# Altium PCB RCJ22_motherboard_2_final.PcbDoc (part 4 of 4) (continued)
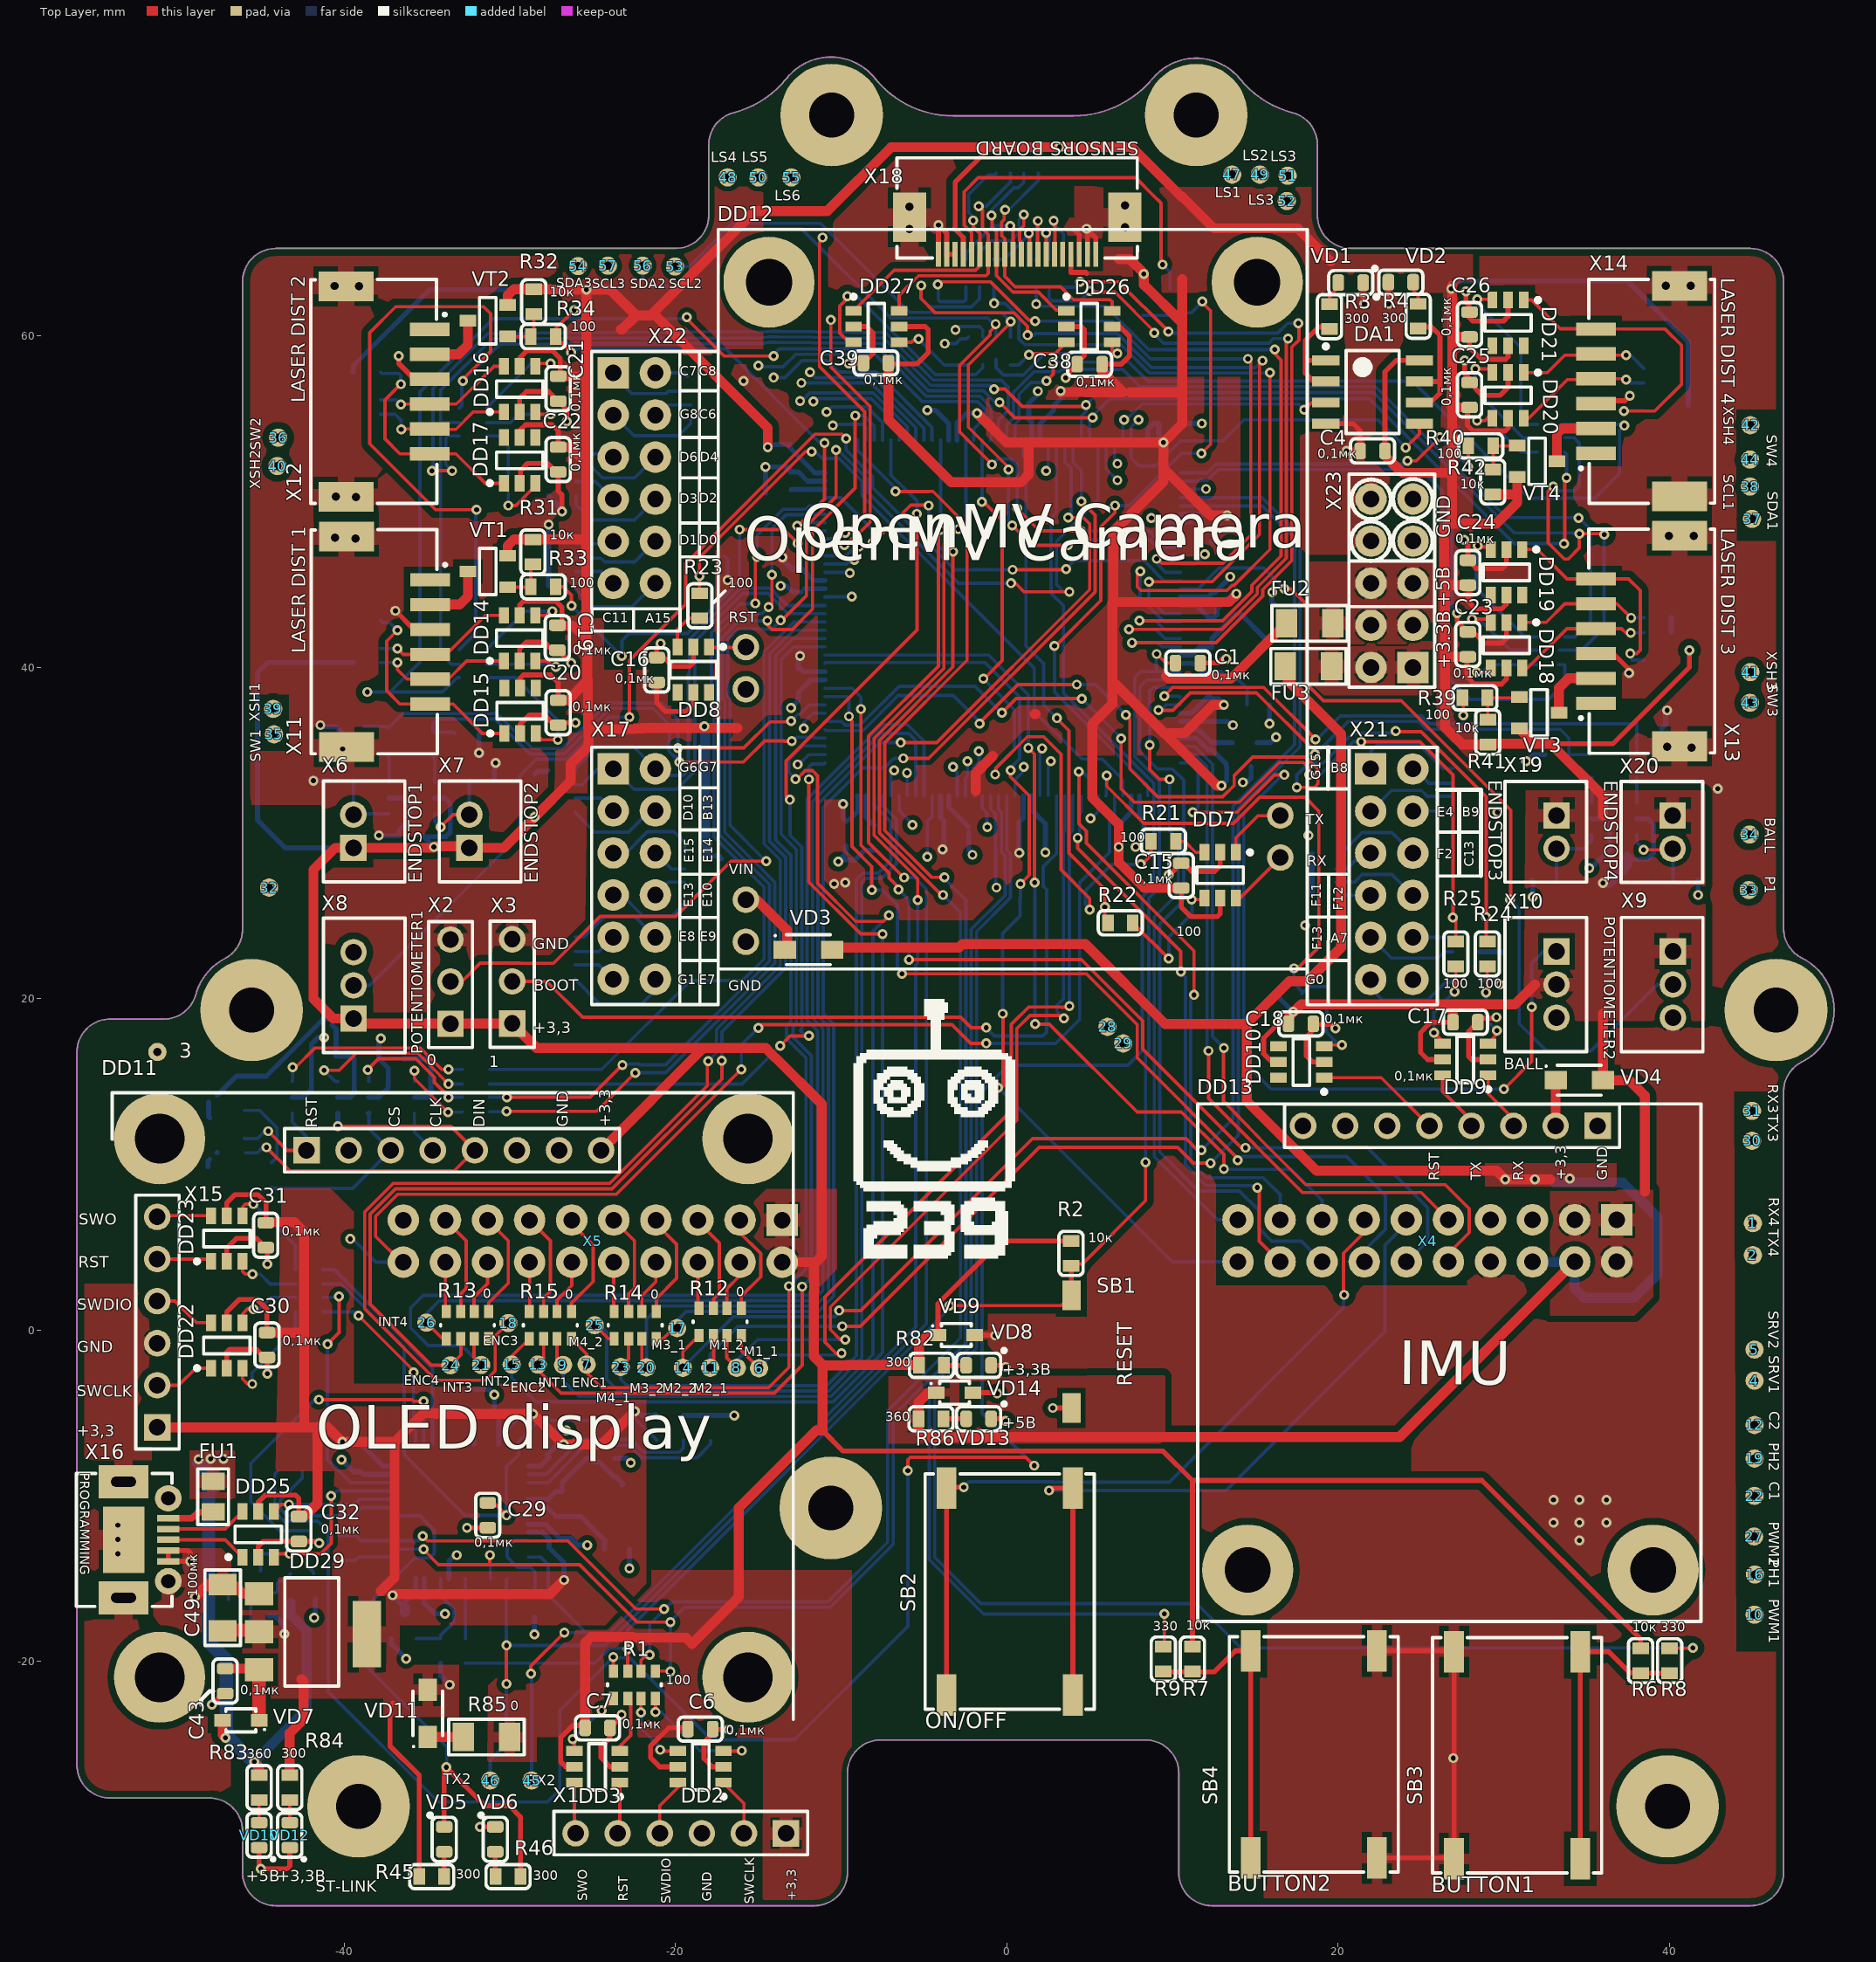
[diagram p0: Top Layer view]
## Other copper
Top Layer:
  pour cut-out: -45.725,38.35 -45.715,38.36 -43.315,38.36 -43.315,34.949 -43.297,34.931 -45.713,34.931
  pour cut-out: 43.874,14.425 46.436,14.425 46.47,14.392 46.47,-19.4 44.017,-19.4
  pour cut-out: 44,55.525 44.033,55.558 46.725,55.558 46.725,47.709 46.621,47.605 44.049,47.605
  pour cut-out: -15.9,52.675 -14.148,52.675 -13.877,52.405 -13.877,50.815 -15.858,50.815 -15.873,50.8
  pour cut-out: 3.181,40.969 3.181,39.253 3.233,39.201 2.07,39.201 2.07,40.789 2.181,40.9
  pour cut-out: 3.979,34.675 4.004,34.65 4.246,34.65 4.246,34.411 4.128,34.293 4.075,34.347 3.979,34.347
  pour cut-out: -36.425,57.5 -36.453,57.528 -37.525,57.528 -37.525,58.781 -37.025,59.281 -36.4,59.281
  pour cut-out: 37.375,56.75 38.723,56.75 38.889,56.585 38.889,55.76 37.615,55.76 37.3,56.075
  pour cut-out: -45.45,-31.884 -42.916,-31.884 -42.45,-32.35 -42.45,-34.298 -45.502,-34.298 -45.525,-34.276
  pour cut-out: -19.775,-29.425 -16.966,-29.425 -16.966,-32.683 -19.767,-32.683
  pour cut-out: -33.354,-29.306 -31.786,-29.306 -31.6,-29.492 -31.6,-32.075 -33.205,-32.075
  pour cut-out: -30.65,42.625 -30.639,42.636 -28.124,42.636 -28.124,40.862 -28.112,40.85 -30.675,40.85
  pour cut-out: -30.675,51.6 -30.675,53.326 -30.625,53.376 -28.124,53.376 -28.124,51.6
  pour cut-out: -30.625,57.675 -30.622,57.672 -28.1,57.672 -28.1,55.826 -28.124,55.85 -30.701,55.85
  pour cut-out: 29,57.275 29,55.525 31.5,55.525 31.5,57.286
  pour cut-out: 31.5,61.725 31.5,59.875 29,59.875 29.004,59.879 29.004,61.717
  pour cut-out: 11.65,28.375 14.069,28.375 14.084,28.39 14.092,28.382 14.092,26.525 11.673,26.525 11.642,26.556
  pour cut-out: 34.73,13.255 36.59,13.255 36.59,11.395 34.73,11.395
  pour cut-out: 32.275,19.675 33.283,19.675 34.108,18.85 34.087,18.829 34.087,17.5 32.411,17.5 32.336,17.425
  pour cut-out: 33.775,15.55 35.316,15.55 35.316,14.503 35.28,14.539 33.826,14.539
  pour cut-out: 28.525,15.075 26.825,15.075 26.825,17.61 28.525,17.61
  pour cut-out: 16.95,17.4 16.956,17.406 18.685,17.406 18.685,14.885 18.675,14.875 16.938,14.875
  pour cut-out: -18.95,-25.29 -18.036,-25.29 -18,-25.254 -17.933,-25.321 -17.933,-29.546 -18.877,-29.546
  pour cut-out: -25.2,-25.191 -25.168,-25.159 -24.25,-25.159 -24.25,-27.8 -25.2,-27.8
  pour cut-out: -48.175,-16.05 -46.497,-16.05 -46.497,-17.431 -48.159,-17.431
  pour cut-out: -46.304,-11.85 -44.042,-11.85 -44.042,-13.081 -46.325,-13.081
  pour cut-out: -45.825,6.2 -45.825,4.856 -45.831,4.85 -48.525,4.85 -48.525,6.2
  pour cut-out: -51.2,0.625 -51.197,0.623 -49.733,0.623 -49.733,-1.929 -50.253,-2.45 -50.328,-2.376 -51.205,-2.376
  pour cut-out: -48.225,-0.15 -48.225,-1.645 -48.23,-1.65 -45.831,-1.65 -45.831,-0.16 -45.821,-0.15
  pour cut-out: -1.475,69.275 -1.463,69.263 4.067,69.263 4.067,67.192 4.108,67.15 4.076,67.118 3.348,67.118 2.184,68.282 -1.5,68.282
  pour cut-out: -45.575,31.7 -41.422,31.7 -40.622,30.9 -40.65,30.872 -40.65,29.534 -45.391,29.534 -45.613,29.756
  pour cut-out: 37.525,35.5 37.55,35.475 37.55,32.927 36.477,32.927 36,33.404 36,35.375
  pour cut-out: -20.34,-31.411 -20.34,-34.298 -20.531,-34.489 -23.104,-34.489 -23.104,-31.323 -23.081,-31.3
  pour cut-out: -33.394,-29.266 -33.354,-29.306 -31.786,-29.306 -31.786,-28.414 -32.099,-28.101 -33.394,-28.101
  pour cut-out: -33.205,-32.075 -31.6,-32.075 -31.6,-34.463 -33.163,-34.463 -33.215,-34.516
  pour cut-out: -42.466,-31.117 -42.45,-31.132 -42.45,-34.298 -39.804,-34.298 -39.775,-34.328 -39.671,-34.224 -39.671,-31.142
  pour cut-out: -55.675,2.8 -52.031,2.8 -51.935,2.896 -51.935,8.505 -55.693,8.505 -55.713,8.525
  pour cut-out: -44.574,16.239 -44.575,16.238 -44.575,12.433 -41.21,12.433 -41.202,12.441 -41.306,12.546 -41.306,16.3
  pour cut-out: -46.844,-24.906 -46.844,-28.513 -46.414,-28.943 -42.775,-28.943 -42.775,-25.025 -42.725,-24.975
  pour cut-out: 13.915,-33.3 15.515,-33.3 15.515,-34.734 13.915,-34.734
  pour cut-out: -25.794,-27.8 -23.746,-27.8 -23.75,-27.804 -23.75,-29.375 -25.665,-29.375 -25.801,-29.238
  pour cut-out: -22.65,-27.8 -20.55,-27.8 -20.55,-27.9 -21.285,-28.635 -22.68,-28.635
  pour cut-out: -48.525,3.45 -48.525,1.15 -48.568,1.107 -49.125,1.107 -49.125,3.442 -49.117,3.45
  pour cut-out: -48.525,6.2 -48.525,4.85 -49.536,4.85 -49.951,5.264 -49.951,6.2
  pour cut-out: 18.375,13.175 18.375,9.925 18.685,9.615 28.4,9.615 28.4,10.375 34.048,10.375 34.048,12.492 33.12,13.421 33.033,13.334 18.5,13.334
  pour cut-out: 12.74,9.365 12.623,9.248 12.623,7.909 16.705,7.909 17.171,8.375 17.171,9.287
  pour cut-out: 31.675,20.01 32.542,20.01 32.692,19.859 32.692,19.316 31.859,19.316 31.675,19.5
  pour cut-out: 36.95,38.125 38.62,38.125 38.62,37.675 38.065,37.119 37.959,37.225 36.95,37.225
  pour cut-out: 34.05,41.294 34.017,41.261 34.017,40.252 33.16,40.252 32.787,40.625
  pour cut-out: 31.6,42 31.6,40.65 31.608,40.642 32.528,40.642 32.528,42
  pour cut-out: 31.6,45.05 31.6,46.4 32.725,46.4 32.965,46.16 32.965,45.109
  pour cut-out: 32.275,56.3 33.982,56.3 34.257,56.025 34.257,55.06 32.277,55.06 32.269,55.052
  pour cut-out: 31.7,57.075 31.7,55.725 31.77,55.795 32.79,55.795 33.14,56.144 33.14,57.075
  pour cut-out: 31.7,61.45 31.7,59.825 32.269,59.825 32.787,60.343 32.787,61.45
  pour cut-out: -8.55,61.767 -7.275,61.767 -7.249,61.793 -7.249,62.475 -8.401,62.475 -8.554,62.628
  pour cut-out: -30.85,51.8 -30.85,53.376 -31.691,53.376 -31.691,51.85
  pour cut-out: -30.85,56.1 -30.875,56.125 -31.88,56.125 -31.88,57.22 -31.572,57.528 -31.493,57.45 -30.85,57.45
  pour cut-out: -30.85,42.425 -30.85,41.075 -31.88,41.075 -32,41.195 -31.933,41.262 -31.933,42.355
  pour cut-out: -30.825,38.927 -30.825,36.7 -30.856,36.731 -31.65,36.731 -31.65,38.96
  pour cut-out: 27,14.875 28.35,14.875 28.35,13.985 28.069,13.704 26.996,13.704
  pour cut-out: 17.1,14.725 18.45,14.725 18.5,14.675 18.5,13.334 17.128,13.334 17.1,13.306
  pour cut-out: 14.325,29.525 14.325,26.775 15.475,26.775 15.776,27.076 15.776,29.5
  pour cut-out: -11.325,35.033 -10.078,35.033 -9.695,34.65 -9.695,32 -11.3,32 -11.325,32.025
  pour cut-out: -18.976,36.879 -18.972,36.876 -16.525,36.876 -16.525,35.85 -17.055,35.32 -19.025,35.32
  pour cut-out: 20.575,-6.525 20.575,-9.05 20.625,-9.1 20.675,-9.05 24.425,-9.05 24.425,-6.8 24.6,-6.625
  pour cut-out: 1.975,29.625 2.778,29.625 2.778,27.844 1.994,27.844 1.975,27.825
  pour cut-out: 12.724,41.174 12.724,39.951 12.941,39.734 14.425,39.734 14.425,40.825 14.5,40.9 14.208,41.192 12.819,41.192
  pour cut-out: 20.525,19.05 20.5,19.025 20.5,15.55 22.725,15.55 23.125,15.95 23.125,19.05
  pour cut-out: -19.3,24.925 -13.325,24.925 -12.9,24.5 -12.9,18.65 -18.835,18.65 -19.275,19.09
  pour cut-out: -12.775,24.9 -12.782,24.893 -12.782,19.05 -9.715,19.05 -9.675,19.09 -9.675,24.975
  pour cut-out: -19.3,24.925 -11.421,24.925 -11.421,29.967 -18.433,29.967 -19.3,29.1
  pour cut-out: -9.675,22.2 -9.675,19.09 -9.615,19.15 -4.29,19.15 -4.29,23.265 -4.525,23.5 -9.665,23.5
  pour cut-out: -51.525,-6.875 -51.608,-6.958 -51.608,-8.525 -50.4,-8.525 -49.863,-7.988 -49.863,-6.85
  pour cut-out: -42,18.45 -40.825,18.45 -40.375,18 -40.446,17.929 -40.446,17.25 -41.958,17.25 -41.966,17.241
  pour cut-out: 13.012,37.225 16.875,37.225 16.875,35.2 16.65,34.975 13,34.975
  pour cut-out: 0.825,57.7 0.887,57.638 2.04,57.638 2.04,56.64 1.757,56.358 0.85,56.358
  pour cut-out: -5.762,56.45 -4.3,56.45 -3.725,55.875 -3.725,53.825 -5.7,53.825 -5.725,53.85
  pour cut-out: 29.75,23.75 30.4,23.75 30.4,22.023 30.077,21.7 29.75,21.7
  pour cut-out: 29.231,31.625 30.15,31.625 30.45,31.325 30.45,29.446 29.305,29.446 29.251,29.5
  pour cut-out: 30.6,34.675 32.061,34.675 32.061,33.686 31.896,33.521 30.625,33.521
  pour cut-out: -29.773,-18.3 -29.773,-21.72 -29.008,-21.72 -29.008,-18.314 -28.993,-18.3
  pour cut-out: -36.55,-18.175 -36.525,-18.2 -36.525,-20.1 -35,-20.1 -34.975,-20.075 -34.975,-18.175
  pour cut-out: -17.325,-4.525 -15.925,-4.525 -15.725,-4.725 -15.725,-5.985 -17.301,-5.985
  pour cut-out: -38.169,17.975 -38.144,18 -37.075,18 -37.075,17.451 -37.301,17.225 -38.216,17.225
  pour cut-out: -28.475,12.275 -25.725,12.275 -25.675,12.325 -25.625,12.275 -25.625,9.225 -28.375,9.225 -28.525,9.375
  pour cut-out: 16.45,31.775 16.425,31.75 16.425,22.525 18.775,22.525 18.8,22.5 19.1,22.8 19.1,31.775
  pour cut-out: -43.525,12.3 -43.525,9.432 -43.343,9.25 -28.475,9.25 -28.475,12.275 -28.5,12.3
  pour cut-out: 12.623,7.909 12.623,2.723 12.6,2.7 27.779,2.7 27.779,7.879 27.749,7.909
  pour cut-out: 20.03,35.375 20.03,19.68 20,19.65 27.25,19.65 27.25,35.394 27.19,35.455
  pour cut-out: -25.382,59.335 -19.55,59.335 -19.55,44.238 -20.838,42.95 -25.605,42.95
  pour cut-out: -25.277,35.25 -25.273,35.253 -19.3,35.253 -19.3,20.493 -20.293,19.5 -20.322,19.529 -25.555,19.529
Signal Layer 2:
  pour cut-out: 20.48,35.435 26.155,35.435 26.13,35.41 26.13,19.435 20.405,19.435 20.305,19.535
  pour cut-out: -25.212,35.421 -19.537,35.421 -19.562,35.396 -19.562,19.421 -25.288,19.421 -25.388,19.521
  pour cut-out: -25.25,59.225 -19.575,59.225 -19.6,59.2 -19.6,43.225 -25.325,43.225 -25.425,43.325
  pour cut-out: 12.789,7.925 27.675,7.925 27.675,2.726 12.739,2.726
  pour cut-out: -38.106,4.85 -35.535,4.85 -34.685,5.7 -34.685,8.1 -11.8,8.1 -11.8,2.8 -38.106,2.8
Bottom Layer:
  pour cut-out: -3.361,28.333 -3.301,28.273 -1.2,28.273 -1.2,25.855 -1.411,25.645 -3.361,27.595
  pour cut-out: -34.19,-11.715 -31.25,-11.715 -31.25,-13.4 -31.8,-13.95 -31.9,-13.85 -34.165,-13.85
  pour cut-out: 22.95,51.415 25.1,51.415 25.769,50.746 25.769,46.363 22.95,46.363
  pour cut-out: 34.192,13.558 34.223,13.589 34.223,16.2 31.589,16.2 31.48,16.309 31.48,13.558
  pour cut-out: -38.221,30.026 -38.197,30.05 -36.334,30.026 -36.334,29.033 -38.238,29.033
  pour cut-out: -32.16,35.228 -30.552,35.228 -30.275,34.95 -30.275,33.975 -32.092,33.975 -32.16,34.043
  pour cut-out: -31.4,32.225 -29.733,32.225 -29.73,32.221 -29.73,28.443 -30.65,27.522 -31.44,27.522
  pour cut-out: 17.678,30.737 17.69,30.725 20.396,30.725 20.396,33.489 20.254,33.632 17.639,33.632
  pour cut-out: 17.678,23.743 20.225,23.743 20.225,21.495 20.11,21.38 18.26,21.38 18.26,22.022 17.672,22.61
  pour cut-out: -28.475,14.55 -24.68,14.55 -24.68,11.942 -25.366,11.256 -28.427,11.256
  pour cut-out: -39.853,17.035 -38.576,17.035 -38.358,16.817 -38.387,16.787 -38.387,15.886 -39.752,15.886 -39.864,15.998
  pour cut-out: -35.778,16.885 -35.747,16.916 -34.35,16.916 -34.35,15.854 -34.353,15.858 -35.741,15.858
  pour cut-out: 39.65,26.45 39.65,27.764 39.559,27.855 37.896,27.855 37.896,27.8 36.546,26.45
  pour cut-out: 14.35,32.3 14.36,32.31 16.687,32.31 16.687,21.791 16.211,21.315 14.3,21.315
  pour cut-out: 10.519,53.891 12.873,53.891 12.97,53.793 12.97,52.9 10.5,52.9
  pour cut-out: 3.183,57.825 3.142,57.785 3.142,55.061 6.283,55.061 6.9,55.678 6.9,57.75
  pour cut-out: 35.975,32.3 37.325,32.3 37.315,32.31 37.315,34.9 36.01,34.9 36,34.91
  pour cut-out: -38.9,33.875 -38.75,34.025 -38.025,34.025 -38.025,32.022 -38.234,31.813 -38.921,31.813
  pour cut-out: -36.575,33.446 -35.329,33.446 -35.125,33.65 -35.125,36.731 -36.486,36.731 -36.625,36.592
  pour cut-out: -36.45,12.6 -36.45,11.925 -37.496,11.925 -37.8,12.229 -37.8,12.6
  pour cut-out: -42.425,12.6 -41.075,12.6 -40.95,12.475 -40.95,11.906 -42.374,11.906 -42.428,11.853
  pour cut-out: -30.931,73.969 -35.45,69.45 -35.45,61.025 -9.025,61.025 -7.275,62.775 -7.275,73.717
  pour cut-out: 35.587,40.73 35.587,36.475 31.389,36.475 31.389,40.654 31.41,40.675
  pour cut-out: 24.975,60.525 31.225,60.525 31.225,55 30.75,54.525 24.9,54.525
  pour cut-out: 19.15,51.625 19.15,46.598 19.598,46.15 22.95,46.15 22.95,51.6 22.9,51.65
  pour cut-out: 14.55,49.114 14.55,46.2 16.997,46.2 17.025,46.228 17.025,49.05
  pour cut-out: -39.071,38.305 -39.071,36.871 -39.05,36.85 -39.006,36.894 -37.6,36.894 -37.6,38.275
  pour cut-out: -37.35,59.475 -35.975,59.475 -35.975,58.121 -36.246,57.85 -37.35,57.85
  pour cut-out: -11.03,64.602 -4.204,64.602 -3.5,63.898 -3.5,62.058 -1.533,62.058 -0.925,61.45 -0.925,59.25 -11.092,59.25
  pour cut-out: -21.45,41.85 -20.2,41.85 -20.2,40.729 -20.379,40.55 -21.45,40.55
  pour cut-out: -26.55,37.65 -25.672,37.65 -25.372,37.35 -25.372,35.725 -26.567,35.725
  pour cut-out: -26.681,41.3 -26.675,41.294 -26.675,38.85 -25.925,38.85 -25.6,39.175 -25.6,41.3
  pour cut-out: -17.835,24.375 -15.176,24.375 -15.176,24.301 -14.649,23.774 -14.649,22.395 -17.816,22.395 -17.85,22.361
  pour cut-out: -33.375,25.125 -31.85,25.125 -31.575,24.85 -31.575,22.718 -33.393,22.718 -33.5,22.825
  pour cut-out: -45.067,-22.075 -45.042,-22.05 -38.275,-22.05 -38.275,-26.35 -38.713,-26.788 -45.1,-26.788
  pour cut-out: -6.5,-9.425 -4.225,-9.425 -1.2,-12.45 -1.2,-19.425 -6.6,-19.425
  pour cut-out: -33.975,-2.9 -32.665,-2.9 -32.665,-4.05 -32.915,-4.3 -32.926,-4.289 -34.004,-4.289
  pour cut-out: 36.7,56.8 37.8,56.8 37.95,56.65 37.95,55.921 37,55.921 36.89,55.81
  pour cut-out: 12.958,55.072 12.958,52.538 12.945,52.525 12.97,52.5 23.15,52.5 23.15,54.825 22.925,55.05
  pour cut-out: 18.075,46.175 21.07,46.175 21.07,43.095 20.4,42.425 18.075,42.425
  pour cut-out: 26.465,49.75 33.792,49.75 35.225,48.317 35.225,41.45 32.375,38.6 32.35,38.625 26.275,38.625
  pour cut-out: 34.163,11.05 34.149,11.037 34.149,10.025 32.175,10.025 32.075,9.925 32.075,11.047
  pour cut-out: 13.15,-9.025 13.15,-13.175 13.275,-13.3 10.25,-16.325 9.86,-16.325 9.86,-9.374 10.01,-9.225
  pour cut-out: -2.09,0.875 3.325,0.875 5.125,-0.925 5.125,-6.7 4,-7.825 -2.122,-7.825
  pour cut-out: -24.975,14.486 -24.95,14.461 -24.95,8.05 -16.5,8.05 -15.975,8.575 -15.975,14.55
  pour cut-out: -27.683,14.539 -27.683,12.758 -28.841,11.6 -28.872,11.63 -30.5,11.63 -30.5,14.486 -30.6,14.586
  pour cut-out: -38.5,8.725 -38.535,8.69 -38.535,1.825 -41.975,1.825 -42.12,1.97 -42.12,8.825
  pour cut-out: -45.339,-3.721 -45.45,-3.832 -45.45,-7.45 -43.225,-7.45 -43.075,-7.6 -42.775,-7.3 -42.775,-2.175 -45.202,-2.175 -45.277,-2.25
  pour cut-out: -26.625,-26.225 -19.176,-26.225 -18.026,-25.075 -18.075,-25.026 -18.075,-20.036 -26.205,-20.036 -26.669,-20.5
  pour cut-out: -34.809,-19.525 -37.725,-19.525 -37.725,-22.375 -37.325,-22.775 -35,-22.775
  pour cut-out: -19.767,48.7 -19.742,48.725 -18.05,48.725 -18.05,47.738 -18.388,47.4 -19.825,47.4
  pour cut-out: -31.025,59.5 -31.025,56 -30.081,55.056 -30.037,55.1 -25.372,55.1 -25.372,59.536 -25.412,59.575
  pour cut-out: -33.95,52.275 -33.9,52.225 -29.3,52.225 -29.3,43.3 -30.165,42.435 -34.043,42.435
  pour cut-out: -43.494,11.824 -28.699,11.824 -28.699,9.4 -28.724,9.375 -43.5,9.375
  pour cut-out: 16.475,13.5 16.491,13.484 16.491,11.05 34.163,11.05 34.192,13.558
  pour cut-out: -25.35,59.398 -25.311,59.437 -19.8,59.437 -19.8,43.71 -19.775,43.685 -25.6,43.685
  pour cut-out: -25.412,35.323 -25.372,35.362 -19.862,35.362 -19.862,19.635 -19.837,19.61 -25.662,19.61
  pour cut-out: 20.425,35.288 20.464,35.327 25.975,35.327 25.975,19.6 26,19.575 20.175,19.575
  pour cut-out: 12.625,7.922 12.625,2.776 12.599,2.75 12.624,2.725 27.9,2.725 27.9,8.05
  pour cut-out: -37.75,5.075 -37.725,5.1 -35.26,5.1 -35.26,8.212 -12.325,8.212 -12.325,2.275 -12.55,2.5 -37.8,2.5

## Silkscreen, mask and mechanical layers (free items; w line width, h text height)
Top Overlay:
  drawing of 67 lines, arcs and shapes, not listed
  text "SENSORS BOARD" at 7.975,72 h1.4 r180
  text "LS2" at 14.225,70.35 h1.1
  text "LS3" at 15.9,70.3 h1.1
  text "LS4" at -17.875,70.25 h1.1
  text "LS5" at -16,70.25 h1.1
  text "LS1" at 12.55,68.125 h1.1
  text "LS6" at -14.025,67.95 h1.1
  text "LS3" at 14.55,67.675 h1.1
  text "LASER DIST 4" at 42.825,63.5 h1.4 r270
  text "SDA3" at -27.2,62.7 h1
  text "SCL3" at -25.025,62.65 h1
  text "SDA2" at -22.75,62.65 h1
  text "SCL2" at -20.395,62.65 h1
  text "10к" at -27.58,62.15 h1
  text "300" at 22.625,60.575 h1
  text "300" at 20.395,60.55 h1
  text "100" at -26.3,60.075 h1
  text "0,1мк" at 27.025,59.97 h1 r90
  text "С7" at -19.725,57.375 h1
  text "С8" at -18.575,57.38 h1
  text "0,1мк" at -8.63,56.85 h1
  text "0,1мк" at 4.195,56.725 h1
  text "LASER DIST 2" at -42.075,55.95 h1.4 r90
  text "0,1мк" at 27.025,55.745 h1 r90
  text "XSH4" at 43.05,55.745 h1.1 r270
  text "0,1мк" at -25.525,55.4 h1 r90
  text "G8" at -19.74,54.77 h1
  text "С6" at -18.575,54.775 h1
  text "SW4" at 45.65,54.025 h1.1 r270
  text "SW2" at -44.825,53.075 h1.1 r90
  text "0,1мк" at 18.745,52.4 h1
  text "100" at 25.98,52.4 h1
  text "D6" at -19.765,52.195 h1
  text "D4" at -18.527,52.195 h1
  text "0,1мк" at -25.525,51.795 h1 r90
  text "SCL1" at 43.05,51.64 h1.1 r270
  text "XSH2" at -44.85,50.725 h1.1 r90
  text "SDA1" at 45.7,50.6 h1.1 r270
  text "10к" at 27.375,50.55 h1
  text "D2" at -18.57,49.7 h1
  text "D3" at -19.765,49.695 h1
  text "LASER DIST 3" at 42.825,48.4 h1.4 r270
  text "GND" at 27.05,47.775 h1.4 r90
  text "10к" at -27.575,47.5 h1
  text "0,1мк" at 27.075,47.25 h1
  text "D1" at -19.75,47.175 h1
  text "D0" at -18.57,47.175 h1
  text "OpenMV Camera" at -15.862,45.575 h4.5
  text "100" at -26.395,44.6 h1
  text "100" at -16.813,44.6 h1
  text "+5В" at 27.025,43.625 h1.4 r90
  text "C11" at -24.39,42.495 h1
  text "RST" at -16.788,42.495 h1.1
  text "A15" at -21.815,42.47 h1
  text "XSH3" at 45.65,40.975 h1.1 r270
  text "LASER DIST 1" at -42.05,40.825 h1.4 r90
  text "0,1мк" at -26.18,40.55 h1
  text "+3.3В" at 27.05,39.875 h1.4 r90
  text "0,1мк" at 26.945,39.155 h1
  text "0,1мк" at 12.345,39.055 h1
  text "SW3" at 45.7,38.975 h1.1 r270
  text "0,1мк" at -23.625,38.825 h1
  text "0,1мк" at -26.205,37.125 h1
  text "XSH1" at -44.875,36.7 h1.1 r90
  text "100" at 25.245,36.65 h1
  text "10к" at 27.05,35.85 h1
  text "SW1" at -44.803,34.275 h1.1 r90
  text "G7" at -18.565,33.475 h1
  text "G6" at -19.765,33.45 h1
  text "B8" at 19.543,33.425 h1
  text "G15" at 19.15,33.2 h1 r90
  text "ENDSTOP3" at 28.775,33.2 h1.4 r270
  text "ENDSTOP4" at 35.775,33.175 h1.4 r270
  text "BALL" at 45.55,30.927 h1.1 r270
  text "B13" at -17.55,30.75 h1 r90
  text "E4" at 25.97,30.765 h1
  text "B9" at 27.463,30.77 h1
  text "D10" at -18.725,30.725 h1 r90
  text "TX" at 18.031,30.286 h1.1
  text "100" at 6.85,29.25 h1
  text "F2" at 25.97,28.24 h1
  text "E15" at -18.676,28.2 h1 r90
  text "E14" at -17.55,28.2 h1 r90
  text "C13" at 28.4,27.95 h1 r90
  text "RX" at 18.13,27.8 h1.1
  text "P1" at 45.55,27.4 h1.1 r270
  text "VIN" at -16.788,27.284 h1.1
  text "ENDSTOP1" at -35.025,26.95 h1.4 r90
  text "ENDSTOP2" at -28,26.95 h1.4 r90
  text "0,1мк" at 7.68,26.75 h1
  text "F11" at 19.17,25.525 h1 r90
  text "E13" at -18.7,25.5 h1 r90
  text "E10" at -17.575,25.5 h1 r90
  text "F12" at 20.481,25.305 h1 r90
  text "POTENTIOMETER2" at 35.8,24.975 h1.2 r270
  text "100" at 10.245,23.55 h1
  text "E8" at -19.8,23.275 h1
  text "E9" at -18.525,23.275 h1
  text "A7" at 19.543,23.155 h1
  text "F13" at 19.22,22.925 h1 r90
  text "GND" at -28.575,22.725 h1.2
  text "G1" at -19.875,20.645 h1
  text "E7" at -18.575,20.65 h1
  text "G0" at 18.044,20.65 h1
  text "100" at 26.35,20.425 h1
  text "100" at 28.4,20.425 h1
  text "GND" at -16.813,20.259 h1.1
  text "BOOT" at -28.55,20.225 h1.2
  text "0,1мк" at 19.17,18.275 h1
  text "+3,3" at -28.575,17.675 h1.2
  text "POTENTIOMETER1" at -35.025,16.65 h1.2 r90
  text "0" at -35,15.725 h1.2
  text "1" at -31.25,15.623 h1.2
  text "BALL" at 30,15.5 h1.2
  text "0,1мк" at 23.395,14.837 h1
  text "RX3" at 45.725,14.837 h1.1 r270
  text "TX3" at 45.725,13.025 h1.1 r270
  text "GND" at -26.25,12.249 h1.2 r90
  text "+3,3" at -23.675,12.249 h1.2 r90
  text "CS" at -36.375,12.225 h1.2 r90
  text "CLK" at -33.875,12.225 h1.2 r90
  text "DIN" at -31.275,12.225 h1.2 r90
  text "RST" at -41.4,12.2 h1.2 r90
  text "TX" at 28.84,9.05 h1.1 r90
  text "+3,3" at 33.95,9.05 h1.1 r90
  text "GND" at 36.45,9.049 h1.1 r90
  text "RST" at 26.315,9.025 h1.1 r90
  text "RX" at 31.4,9.025 h1.1 r90
  text "RX4" at 45.775,8 h1.1 r270
  text "SWO" at -56,6.125 h1.2
  text "TX4" at 45.75,6.075 h1.1 r270
  text "0,1мк" at -43.755,5.475 h1
  text "10к" at 4.925,5.1 h1
  text "RST" at -56.025,3.525 h1.2
  text "0" at -16.325,1.825 h1
  text "0" at -31.625,1.725 h1
  text "0" at -26.65,1.675 h1
  text "0" at -21.5,1.675 h1
  text "SRV2" at 45.75,1.175 h1.1 r270
  text "SWDIO" at -56.125,0.975 h1.2 r359.62
  text "INT4" at -37.925,0 h1
  text "0,1мк" at -43.7,-1.125 h1
  text "ENC3" at -31.625,-1.125 h1
  text "M4_2" at -26.45,-1.2 h1
  text "M3_1" at -21.45,-1.4 h1
  text "M1_2" at -17.975,-1.4 h1
  text "SRV1" at 45.775,-1.525 h1.1 r270
  text "GND" at -56.125,-1.575 h1.2
  text "M1_1" at -15.85,-1.8 h1
  text "300" at -7.3,-2.425 h1
  text "+3,3В" at -0.275,-2.955 h1.2
  text "RESET" at 7.85,-3.4 h1.5 r90
  text "ENC4" at -36.375,-3.525 h1
  text "INT2" at -31.745,-3.575 h1
  text "INT1" at -28.275,-3.65 h1
  text "ENC1" at -26.25,-3.65 h1
  text "INT3" at -34.05,-3.95 h1
  text "ENC2" at -29.95,-3.95 h1
  text "M3_2" at -22.775,-4 h1
  text "M2_2" at -20.8,-4 h1
  text "M2_1" at -18.925,-4 h1
  text "SWCLK" at -56.132,-4.225 h1.2 r359.59
  text "M4_1" at -24.8,-4.575 h1
  text "C2" at 45.8,-4.9 h1.1 r270
  text "360" at -7.325,-5.725 h1
  text "+5В" at -0.275,-6.15 h1.2
  text "+3,3" at -56.132,-6.64 h1.2 r359.44
  text "PH2" at 45.775,-6.8 h1.1 r270
  text "PROGRAMMING" at -56.147,-8.619 h1 r270
  text "C1" at 45.8,-9.125 h1.1 r270
  text "PWM2" at 45.775,-11.55 h1.1 r270
  text "0,1мк" at -41.4,-12.505 h1
  text "0,1мк" at -32.15,-13.3 h1
  text "PH1" at 45.775,-13.825 h1.1 r270
  text "100мк" at -48.625,-16.1 h1 r90
  text "PWM1" at 45.775,-16.225 h1.1 r270
  text "10к" at 10.825,-18.3 h1
  text "330" at 8.825,-18.35 h1
  text "10к" at 37.75,-18.4 h1
  text "330" at 39.45,-18.4 h1
  text "100" at -20.583,-21.589 h1
  text "0,1мк" at -46.25,-22.195 h1
  text "0" at -29.95,-23.15 h1
  text "0,1мк" at -23.2,-24.25 h1
  text "ON/OFF" at -4.925,-24.345 h1.6
  text "0,1мк" at -16.95,-24.625 h1
  text "300" at -43.775,-26.025 h1
  text "360" at -45.875,-26.05 h1
  text "TX2" at -34,-27.6 h1.1
  text "RX2" at -28.975,-27.675 h1.1
  text "300" at -33.25,-33.325 h1
  text "300" at -28.575,-33.4 h1
  text "+5В" at -45.925,-33.5 h1.2
  text "+3,3В" at -44.05,-33.5 h1.2
  text "ST-LINK" at -41.7,-34.125 h1.2
  text "BUTTON2" at 13.325,-34.17 h1.6
  text "BUTTON1" at 25.625,-34.245 h1.6
  text "SWO" at -25.1,-34.457 h1 r90
  text "RST" at -22.65,-34.475 h1 r90
  text "GND" at -17.6,-34.475 h1 r90
  text "+3,3" at -12.518,-34.458 h1 r89.44
  text "SWDIO" at -20.075,-34.6 h1 r89.62
  text "SWCLK" at -15.042,-34.631 h1 r89.59
Bottom Overlay:
  lines w0.2: -8.65,65.925 -8.7,65.925 ; -7.675,69 -7.675,65.925 -8.7,65.925 ; -6.675,65.925 -6.6,65.925 -6.6,69 -6.575,69 ; -5.525,65.925 -5.525,69 ; -4.525,65.925 -4.5,65.925 -4.5,69 ; -3.5,65.925 -3.5,69 ; -2.475,65.925 -2.475,69 -2.45,69 ; -1.475,65.925 -1.425,65.925 -1.425,69 ; -0.4,65.925 -0.4,69 ; 0.625,65.925 0.625,69 ; 1.625,69 1.65,69 1.65,65.975 ; 2.575,69 2.65,69 2.65,65.95 ; 3.525,69 3.55,69 3.55,65.925 4.475,65.925 4.475,69 5.45,69 5.45,65.975 6.375,65.975 6.375,69 7.325,69 ; 7.325,65.925 8.25,65.925 ; 7.375,65.925 7.375,69 ; 8.25,69 9.175,69 ; 8.275,65.925 8.275,69 ; 9.175,65.95 9.25,65.95 ; 9.225,65.95 9.225,69 ; 11.9,-2.325 36.025,-2.325 ; 11.925,-8.15 36.1,-8.15 ; 13.9,-4.525 13.9,-0.1 ; 13.975,-10.775 13.975,-5.725 ; 16.45,-4.35 16.45,-0.1 ; 16.525,-10.7 16.525,-5.675 ; 19,-4.525 19,-0.1 ; 19.075,-10.7 19.075,-5.675 ; 21.625,-4.525 21.625,-0.1 ; 21.7,-10.775 21.7,-5.675 ; 24.275,-4.5 24.275,-0.1 ; 24.35,-10.775 24.35,-5.675 ; 26.575,-4.475 26.575,-0.1 ; 26.65,-10.775 26.65,-5.725 ; 29.375,-4.475 29.375,-0.1 ; 29.45,-10.75 29.45,-5.675 ; 31.775,-4.475 31.775,-0.1 ; 31.85,-10.725 31.85,-5.75 ; 34.25,-4.475 34.25,-0.1 ; 34.325,-10.725 34.325,-5.725 ; -8.7,65.925 -8.7,69 -8.7,65.925 ; -9.75,65.925 -9.75,69 10.325,69 10.325,65.925 10.025,65.925 -9.475,65.925 -9.75,65.925 ; 11.875,-4.525 11.875,-2.325 11.875,-0.125 36.125,-0.125 36.125,-4.525 11.875,-4.525 ; 11.9,-10.775 36.175,-10.775 36.175,-5.675 12.425,-5.675 11.9,-5.675 11.9,-10.775
  lines w0.254: -42.825,-18.185 -42.825,-17.03 ; -25.83,-12.175 -25.55,-12.455 -25.55,-14.105 -24.4,-15.255 ; 13.155,44.255 14.575,45.675 14.575,45.725
  text "10к" at 1.875,71.775 h1
  text "LIGHT_2" at -2.7,68.9 h1 r90
  text "LIGHT_4" at -0.625,68.9 h1 r90
  text "LIGHT_6" at 1.4,68.9 h1 r90
  text "LIGHT_1" at -3.725,68.875 h1 r90
  text "LIGHT_3" at -1.675,68.875 h1 r90
  text "LIGHT_5" at 0.4,68.875 h1 r90
  text "+3,3В" at -5.75,68.525 h1 r90
  text "+3,3В" at 7.175,68.35 h1 r90
  text "SDA2" at 2.45,68.25 h1 r90
  text "SDA3" at 4.3,68.25 h1 r90
  text "SCL2" at 3.4,68.225 h1 r90
  text "SCL3" at 5.25,68.225 h1 r90
  text "GND" at -6.85,68.175 h1 r90
  text "PWM" at 6.25,68.175 h1 r90
  text "GND" at -8.85,68.15 h1 r90
  text "GND" at -7.85,68.15 h1 r90
  text "GND" at 10.05,68.075 h1 r90
  text "GND" at 8.1,68.05 h1 r90
  text "GND" at 9.075,68.05 h1 r90
  text "N/C" at -4.675,67.775 h1 r90
  text "100" at -4.45,63.325 h1
  text "100" at 5.5,63.125 h1
  text "0" at 10.2,59.9 h1
  text "10к" at 8.625,59.875 h1
  text "100" at 2.075,58.575 h1
  text "0,1мк" at 2.95,56.8 h1
  text "0,1мк" at -2.375,56.225 h1
  text "0,1мк" at 13.33,54.45 h1
  text "10к" at 39.85,54.275 h1
  text "0,1мк" at -12.1,54.075 h1
  text "10к" at -38.2,54.05 h1
  text "10к" at -17.75,53.7 h1
  text "100" at -31.825,51.9 h1
  text "100" at 33.45,51.675 h1
  text "0,1мк" at 13.25,49.875 h1
  text "2,2мк" at -15.925,49.55 h1
  text "10к" at -26.35,49.15 h1
  text "0,1мк" at 13.475,45.4 h1
  text "10к" at -17.325,45.175 h1
  text "10к" at -26.375,43.725 h1
  text "0,1мк" at -11.85,43.125 h1
  text "0,1мк" at -11.625,40.725 h1
  text "1М" at 8.25,39.6 h1
  text "100" at -29.925,39.575 h1
  text "10к" at 39.775,39.275 h1
  text "10к" at -38.2,39.125 h1
  text "100" at 33.45,38.95 h1
  text "0,1мк" at -41,36.9 h1 r90
  text "0,1мк" at -30.425,36.75 h1 r90
  text "0,1мк" at 8.855,36.505 h1
  text "0,1мк" at 17.725,34.73 h1
  text "0,1мк" at 31.725,34.55 h1
  text "100" at 37.225,34.55 h1
  text "0,1мк" at 43.2,34.55 h1
  text "100" at -38.23,34.4 h1
  text "100" at -32.68,34.3 h1
  text "0,1мк" at 17.35,33.58 h1
  text "100" at 37.225,33.475 h1
  text "10к" at -28.85,32.445 h1
  text "10к" at -41.875,32.35 h1
  text "0,1мк" at -37.65,30.675 h1 r90
  text "10к" at 28.15,30.1 h1
  text "10к" at -26.45,30 h1
  text "0,1мк" at 8.545,28.68 h1
  text "0,1мк" at -2.03,28.37 h1
  text "0,1мк" at 2.545,28.37 h1
  text "0,1мк" at -9.38,27.625 h1
  text "2,2мк" at -7.175,27.1 h1
  text "0,1мк" at 37.695,25.86 h1
  text "10к" at 32.95,25.675 h1
  text "10к" at 19.6,24.875 h1
  text "10к" at -18.375,24.825 h1
  text "10к" at -26.292,19.914 h1
  text "10к" at 28.225,19.475 h1
  text "0,1мк" at -39.175,17.3 h1 r90
  text "0,1мк" at -35.075,17.175 h1 r90
  text "100" at -30.625,16.45 h1
  text "100" at -46.2,9.5 h1
  text "StarLine" at 4.075,9.375 h8 r90
  text "0" at -44.05,7.25 h1
  text "MOTORS PLATFORM" at -12.1,2.65 h1.2 r270
  text "LOGIC CERVO" at 38.231,2.639 h1.2 r270
  text "100" at -41.575,-0.125 h1
  text "PH1" at 14.725,-1.875 h1 r270
  text "GND" at 30.1,-1.875 h1 r270
  text "C1" at 12.375,-1.9 h1 r270
  text "RX" at 24.9,-1.9 h1 r270
  text "GND" at 27.525,-1.9 h1 r270
  text "BTN1" at 19.85,-2.025 h1 r270
  text "BTN2" at 22.475,-2.1 h1 r270
  text "+3,3В" at 32.55,-2.175 h1 r270
  text "+3,3В" at 34.6,-2.175 h1 r270
  text "PWM1" at 17.25,-2.225 h1 r270
  text "0,1мк" at -27.45,-3.9 h1
  text "TX" at 24.95,-4.2 h1 r270
  text "GND" at 27.475,-4.25 h1 r270
  text "PH2" at 14.725,-4.3 h1 r270
  text "C2" at 17.225,-4.3 h1 r270
  text "+5В" at 30.075,-4.3 h1 r270
  text "+3,3В" at 34.6,-4.3 h1 r270
  text "+5В" at 32.55,-4.35 h1 r270
  text "PWM2" at 12.425,-4.475 h1 r270
  text "LOGIC SERVO" at 36.175,-4.525 h1.25 r270
  text "SRV2" at 22.45,-4.575 h1 r270
  text "SRV1" at 19.85,-4.6 h1 r270
  text "100к" at -33.075,-4.7 h1
  text "0,1мк" at -39.895,-7.23 h1
  text "M4_1" at 24.95,-7.55 h1 r270
  text "M3_1" at 27.5,-7.575 h1 r270
  text "M1_1" at 32.55,-7.6 h1 r270
  text "ENC1" at 22.5,-7.65 h1 r270
  text "M2_1" at 30.075,-7.65 h1 r270
  text "GND" at 12.4,-7.7 h1 r270
  text "+3,3В" at 34.85,-7.725 h1 r270
  text "ENC2" at 19.925,-7.75 h1 r270
  text "0,1мк" at -26.675,-7.775 h1 r270
  text "ENC4" at 14.8,-7.8 h1 r270
  text "ENC3" at 17.375,-7.85 h1 r270
  text "10к" at -19.125,-8.025 h1
  text "100к" at -20.5,-8.05 h1
  text "10к" at -17.4,-8.05 h1
  text "0" at -45.05,-8.8 h1
  text "M4_2" at 25.025,-10.375 h1 r270
  text "M3_2" at 27.625,-10.375 h1 r270
  text "M2_2" at 30.1,-10.35 h1 r270
  text "M1_2" at 32.6,-10.35 h1 r270
  text "SRV3" at 12.375,-10.45 h1 r270
  text "+3,3В" at 34.85,-10.5 h1 r270
  text "ENC_I1" at 22.55,-10.625 h1 r270
  text "ENC_I4" at 14.725,-10.65 h1 r270
  text "ENC_I3" at 17.34,-10.65 h1 r270
  text "ENC_I2" at 19.92,-10.7 h1 r270
  text "MOTORS PLATFORM" at 36.175,-10.875 h1.25 r270
  text "100" at -43.125,-11.77 h1 r90
  text "100" at -38.675,-12.2 h1 r90
  text "®" at 0.7,-12.775 h2.5 r90
  text "1,5к" at -48.025,-14.825 h1
  text "0,1мк" at -25.477,-16.772 h1
  text "1М" at -23.4,-17.03 h1
  text "0,1мк" at -37.05,-17.225 h1
  text "39к" at -40.843,-19.045 h1
  text "4,7к" at -27.746,-19.7 h1
  text "0" at -36.125,-20.15 h1
  text "10к" at -42.4,-20.35 h1
  text "0" at -32.375,-21.5 h1
  text "0" at -34.175,-22.525 h1
Mechanical 1:
  drawing of 351 lines, arcs and shapes, not listed

## Text inside footprints (layer, text, board x,y; h text height)
DD11: Top Overlay "OLED display" at -41.7,-8.025 h4.5
DD12: Top Overlay "OpenMV Camera" at -12.463,46.35 h4.5
DD13: Top Overlay "IMU" at 23.625,-4.125 h4.5 r359.62